# Altium PCB 11BRANMB10H3_20171026.pcbdoc (part 3 of 7)
Units mm, origin at the board's own origin, x right, y up, seen from the top; angles counter-clockwise.
Board outline 91.65 x 48.25 mm, 6 copper layers (TOP, GND1, Singal, POWER, GND2, BOTTOM), stack 0.8 mm thick; 370 components, 289 nets, 1421 pads, 963 vias.
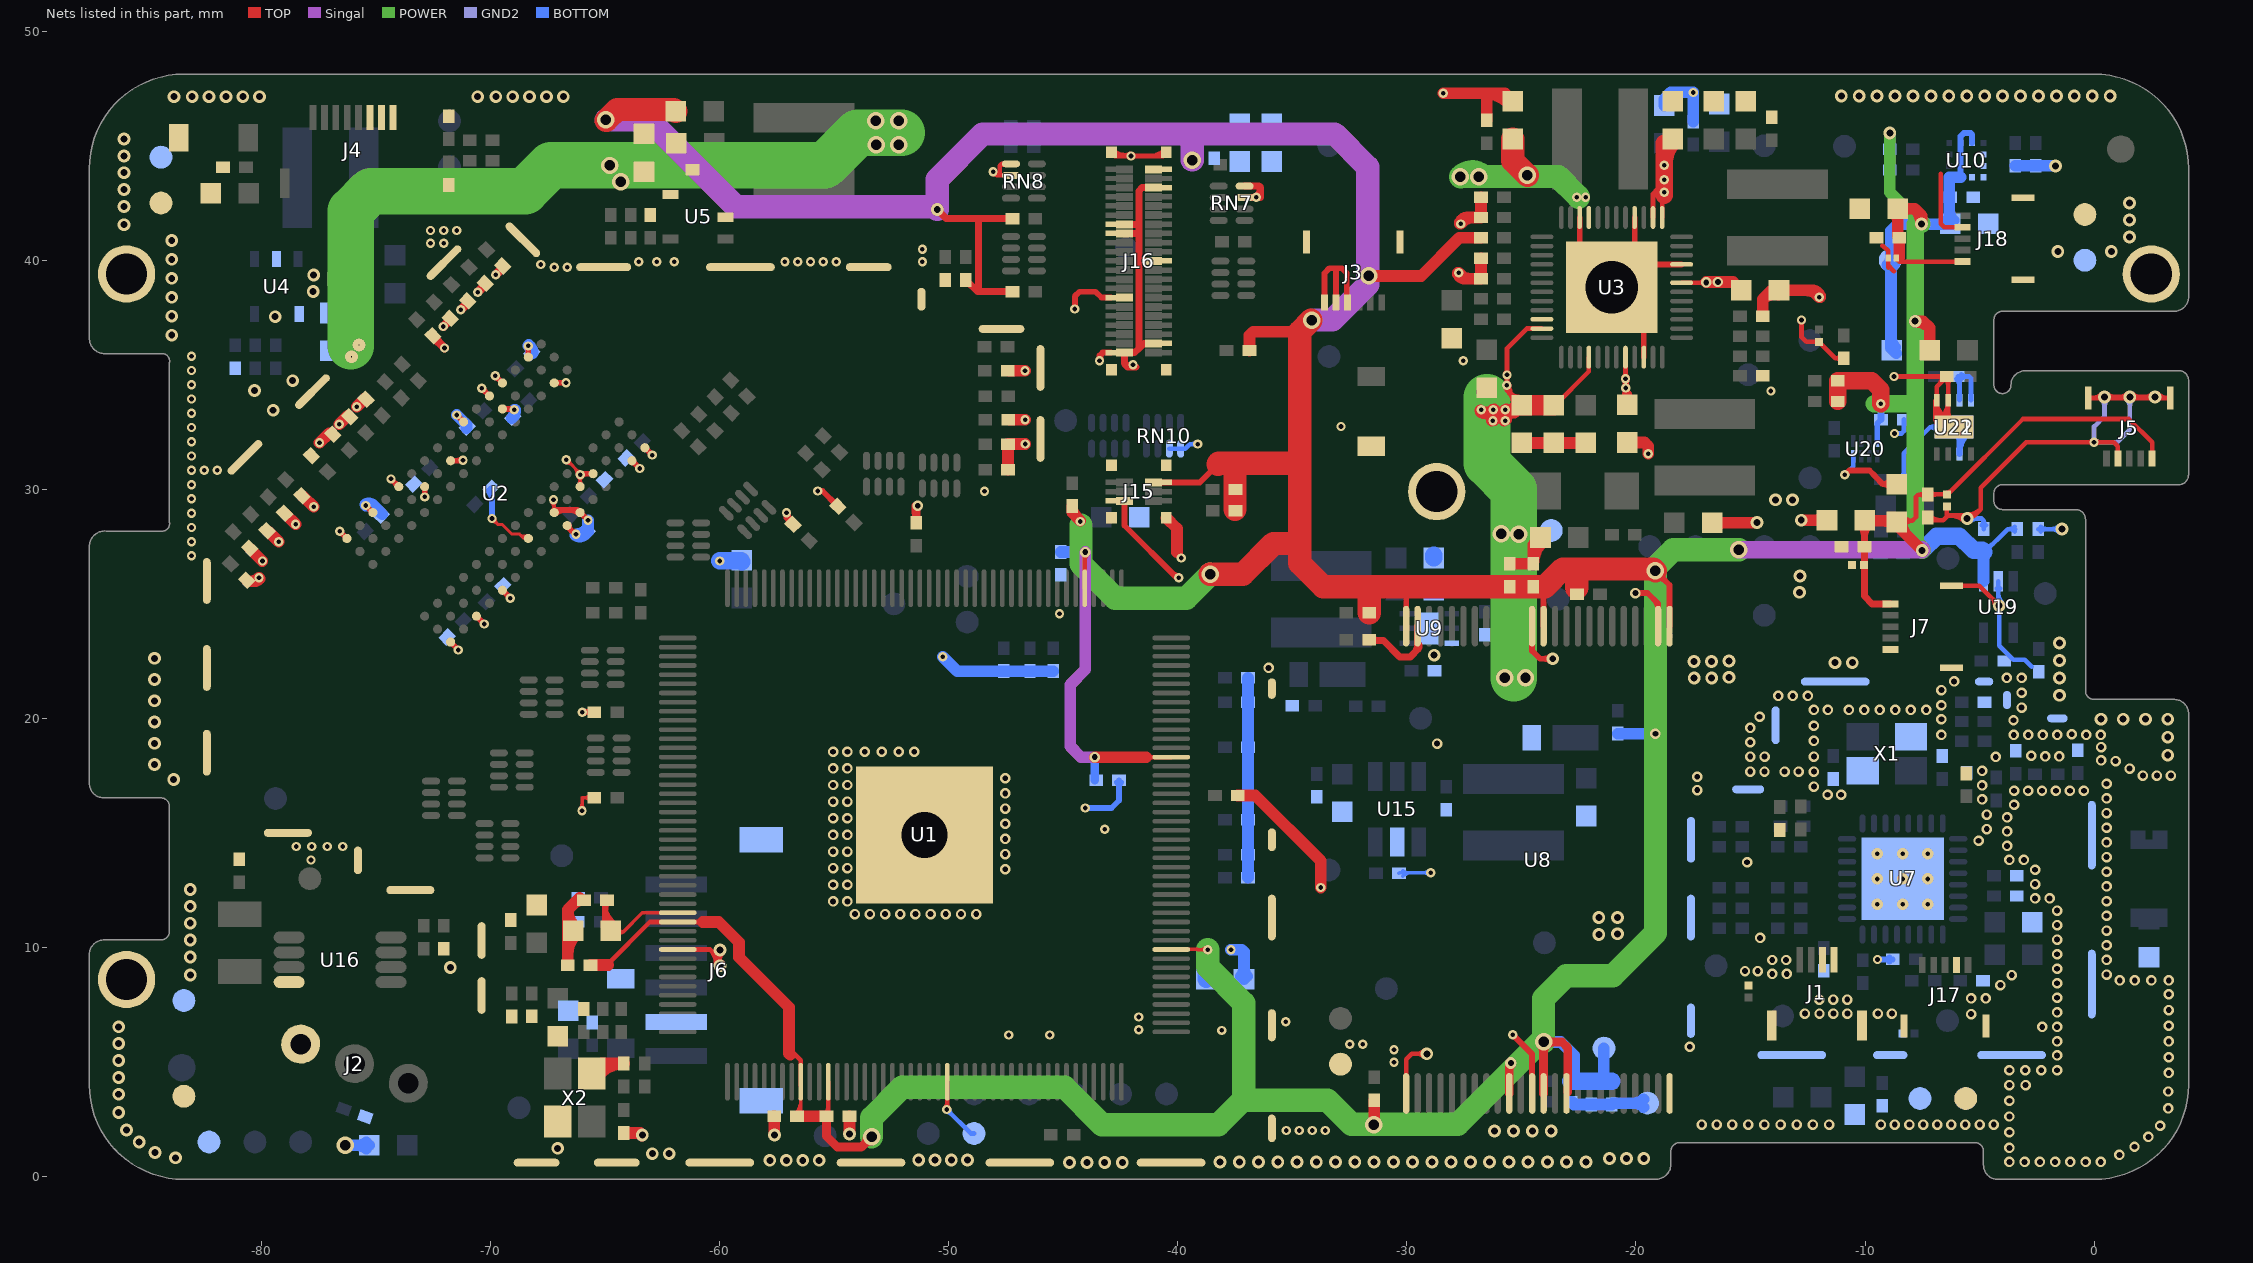
[diagram p7: the nets of this part, all layers, seen from the top]

## Via types
v1: diameter 0.406, hole 0.203, TOP to BOTTOM, tented both sides, 429 vias
v2: diameter 0.457, hole 0.254, TOP to BOTTOM, tented both sides, 256 vias
v3: diameter 0.559, hole 0.305, TOP to BOTTOM, tented both sides, 186 vias
v4: diameter 0.762, hole 0.457, TOP to BOTTOM, tented both sides, 69 vias
v5: diameter 0.61, hole 0.33, TOP to BOTTOM, tented both sides, 11 vias
v6: diameter 0.5, hole 0.2, TOP to BOTTOM, 9 vias
v7: diameter 0.559, hole 0.051, TOP to BOTTOM, tented both sides, 2 vias
v8: diameter 0.508, hole 0.254, TOP to BOTTOM, tented both sides, 1 vias

## Nets (pads, with @x,y where several pads share a name; then routed paths per layer and width w, separated by ;. In a path a pad name is that pad's centre, name@x,y a point inside that pad or via, vN(x,y) a via of type N, cw(c..) or ccw(c..) an arc to the next point about the centre after c; other vN are vias at no path point) (continued)
GND: C2.1 C3.1 C4.1 C5.1 C7.1 C8.1 C9.1 C10.1 C15.2 C16.1 C17.1 C18.1 C19.1 C20.1 C21.1 C22.1 C23.1 C24.1 C25.1 C26.1 C27.1 C28.1 C29.1 C30.1 C31.1 C32.1 C33.1 C34.1 C35.1 C36.1 C37.1 C38.1 C39.2 C40.1 C41.1 C44.2 C45.2 C46.2 C47.2 C48.2 C49.2 C50.2 C51.2 C52.2 C53.2 C54.2 C55.2 C56.2 C57.2 C59.1 C60.2 C61.2 C62.1 C63.1 C64.2 C65.2 C66.2 C67.2 C68.2 C69.1 C70.1 C71.1 C83.1 C84.2 C85.2 C86.2 C87.2 C88.2 C89.2 C90.2 C91.2 C92.2 C93.2 C94.2 C95.2 C96.2 C97.2 C98.2 C99.2 C100.2 C101.2 C102.2 C103.2 C104.2 C105.2 C106.2 C111.1 C116.1 C117.2 C120.1 C121.1 C122.1 C123.1 C142.1 C145.1 C146.1 C148.1 C152.1 C154.1 C155.1 C156.2 C157.2 C158.1 C159.2 C174.2 C175.2 C176.2 C204.1 C207.1 C208.1 C209.1 C215.2 C216.2 C220.2 C221.2 C225.2 C226.2 C227.2 C228.2 C235.2 C236.2 C237.2 C238.2 C240.1 C241.2 C242.2 C243.1 C244.1 C246.2 C247.2 C248.1 C249.1 C250.2 C251.1 C252.1 C253.1 C254.2 D2.2 D4.1 D5.2 D6.2 D7.2 D8.2 D13.2 D14.2 D15.2 D19.2 D20.2 J1.3 J1.4 J1.5 J1.6 J2.3 J3.4 J3.5 J3.6 J3.7 J3.8 J4.6 J4.7 J4.8 J5.4 J5.6 J5.7 J6.2 J6.7 J6.8 J7.1 J7.6 J7.7 J15.6 J15.7 J15.8 J15.9 J15.10 J16.5 J16.14 J16.16 J16.21 J16.30 J16.39 J16.42 J16.43 J16.44 J16.45 J16.46 J17.4 J17.6 J17.7 J18.4 J18.6 J18.7 pad.0 pad.1 R1.1 R2.1 R12.1 R17.1 R19.1 R28.2 R35.2 R50.1 R71.1 R90.1 R91.1 R94.1 R151.1 R155.1 R160.2 R178.1 R180.2 R188.1 R190.2 R210.2 RN7.3 RN7.4 RN8.1 RN8.2 RN10.1 RN10.2 TP4.1 TP15.1 TP16.1 TP17.1 TP18.1 TP19.1 TP20.1 TP21.1 TP22.1 TP24.1 TP56.1 U1.79 U1.177 U2.A9 U2.B1 U2.B3 U2.B9 U2.D1 U2.D8 U2.E1 U2.E2 U2.E8 U2.F9 U2.G1 U2.G8 U2.G9 U2.J2 U2.J8 U2.L2 U2.M1 U2.M9 U2.P1 U2.P9 U2.T1 U2.T9 U3.9 U3.16 U3.22 U3.46 U3.49 U4.2 U5.2 U7.33 U8.2 U8.13 U8.23 U8.25 U8.36 U8.48 U9.3 U9.7 U10.5 U10.6 U10.7 U10.8 U15.2 U16.4 U19.2 U20.4 U21.2 U21.7 U21.8 U21.9 U22.7 U22.8 U22.9 X1.2 X1.4 X2.2 X2.4 | length 297.1
  TOP w0.127: v1@-69.947,28.586 cw(c-69.947,28.248) -69.709,28.487 cw(c-69.471,28.725) v1@-69.808,28.725 ; v1(-69.947,28.725) -69.678,28.456 -69.49,28.456 -69.088,28.054 -68.758,28.054 ; -68.62,27.916 ccw(c-68.451,28.085) U2.J8@-68.364,27.863 ; U2.J8@-68.41,27.981 cw(c-68.528,28.284) -68.758,28.054 ; U2.J8@-68.361,27.854 -68.557,27.854 -68.758,28.054 ; v1@-67.331,29.417 cw(c-67.434,29.239) -67.235,29.292 ; U2.G8@-67.261,29.034 v1(-67.261,29.538) -67.23,29.507 U2.G8@-67.23,28.985 ; -67.261,29.239 cw(c-67.484,29.239) -67.326,29.082 ccw(c-67.559,29.315) -67.23,29.315 ccw(c-66.9,29.315) -67.133,29.082 cw(c-66.825,29.39) v1@-67.261,29.39 ; U2.G8@-67.23,29.126 ccw(c-67.674,29.126) -67.36,29.439 cw(c-67.598,29.201) -67.261,29.201 cw(c-66.924,29.201) -67.162,29.439 ccw(c-66.999,29.276) -67.23,29.276 ; -67.22,29.236 cw(c-67.02,29.289) v1@-67.164,29.438 ; v1@-66.711,31.151 cw(c-66.711,30.753) -66.429,31.034 ; v1(-66.711,31.291) -66.686,31.291 v1@-66.077,30.682 ; v1@-66.572,31.291 ccw(c-66.296,31.291) -66.491,31.096 ; -66.372,30.977 cw(c-66.707,30.642) v1@-66.233,30.642 ; -66.235,30.84 ccw(c-66.094,30.982) v1@-66.094,30.782 ; v1@-66.179,30.532 cw(c-66.281,30.401) -66.122,30.359 ; v1@-66.176,30.529 cw(c-66.268,30.405) -66.118,30.365 ; v1@-66.163,30.521 cw(c-66.238,30.392) -66.094,30.43 ; -66.107,30.412 cw(c-65.934,30.365) -66.024,30.521 ccw(c-65.937,30.37) -66.105,30.415 ; U2.E8@-66.098,30.294 cw(c-65.745,30.294) -65.995,30.543 ccw(c-65.756,30.305) -66.094,30.305 ccw(c-66.431,30.305) -66.192,30.543 cw(c-66.42,30.316) U2.E8@-66.098,30.316 ; -66.094,30.435 ccw(c-65.78,30.435) -66.002,30.213 cw(c-65.769,30.446) -66.098,30.446 cw(c-66.428,30.446) -66.195,30.213 ccw(c-66.439,30.457) v1@-66.094,30.457 ; -66.079,30.373 cw(c-65.948,30.409) v1@-66.02,30.523 ; U2.E8@-66.098,30.165 U2.E8@-66.098,30.117 U2.E8@-66.094,30.165 ; U2.E8@-66.098,30.165 v1@-66.098,30.637 ; U2.E8@-66.098,30.165 U2.E8@-66.094,30.165 ; v1@-66.098,30.637 v1(-66.094,30.642) ; v1@-66.098,30.637 v1(-66.094,30.642) v1@-66.077,30.682 ; U2.E8@-66.094,30.165 v1(-66.094,30.642) ; v1(-66.094,30.642) v1@-66.077,30.682 ; C35.1@-51.43,28.649 -51.42,28.64 -51.42,28.6 C35.1@-51.43,28.649
  TOP w0.14: U2.G8@-67.261,29.034 U2.G8@-67.23,28.985
  TOP w0.152: v1@-66.105,16.049 ccw(c-66.322,16.266) -66.015,16.266 ccw(c-65.708,16.266) v1@-65.925,16.049 ; v1(-66.015,15.959) -66.015,16.522 -66.001,16.535 C36.1@-65.537,16.535 ; v1(-66.006,20.265) -65.997,20.274 C33.1@-65.537,20.274 ; v1@-65.926,20.364 ccw(c-65.8,20.521) -65.748,20.327 ccw(c-65.69,20.11) v1@-65.892,20.209 ; v1@-65.916,20.175 cw(c-65.678,19.937) C33.1@-65.678,20.274 ; v1@-65.916,20.355 ccw(c-65.72,20.55) C33.1@-65.72,20.274 ; v1@-65.906,20.185 cw(c-65.809,20.107) -65.776,20.228 cw(c-65.729,20.404) v1@-65.892,20.322 ; C36.1@-65.65,16.413 ccw(c-65.947,16.116) -65.947,16.535 ccw(c-65.947,16.955) C36.1@-65.65,16.658 ; C33.1@-65.65,20.151 ccw(c-65.947,19.854) -65.947,20.274 ccw(c-65.947,20.693) C33.1@-65.65,20.396
  TOP w0.203: U1.79@-61.84,9.908 -60.419,9.908 ; v3@-60.17,9.212 ccw(c-61.029,9.298) -60.419,9.908 ; v3@-60.119,9.32 ccw(c-60.269,9.47) -60.057,9.47 ; -60.115,9.604 cw(c-60.477,9.243) v3@-59.968,9.192 ; v3@-60.057,9.241 -60.057,9.546 ; v3@-60.057,9.298 cw(c-59.411,9.298) v3@-59.868,9.755 ; -60.057,9.54 cw(c-59.874,9.54) v3@-59.935,9.713 ; v3@-59.93,9.361 cw(c-59.858,9.546) -60.057,9.546 ; v1(-48.069,43.866) -47.912,43.709 ; v1@-48.061,43.764 cw(c-48.047,43.575) -47.912,43.709 ; v1@-47.967,43.858 ccw(c-47.778,43.844) -47.912,43.709 ; v1@-47.967,43.875 ccw(c-47.785,43.893) -47.785,43.709 ; RN8.1@-47.549,44.163 ccw(c-47.635,43.97) -47.785,44.12 ; RN8.2@-47.287,43.709 -47.785,43.709 ; RN8.1@-47.287,44.209 -47.695,44.209 -47.785,44.12 ; J16.45@-42.944,44.656 ccw(c-42.693,44.907) J16.45@-42.693,44.551 ; J16.45@-42.895,44.72 -42.726,44.551 v1(-42.045,44.551) -40.674,44.551 J16.43@-40.505,44.72 ; J16.45@-42.801,44.799 ccw(c-42.202,45.398) v1@-42.202,44.551 ; -42.387,44.601 ccw(c-42.288,44.972) v1@-42.095,44.639 ; v1@-42.116,44.48 ccw(c-42.29,44.306) -42.29,44.551 ccw(c-42.29,44.797) v1@-42.116,44.623 ; v1@-41.973,44.48 cw(c-41.799,44.306) -41.799,44.551 cw(c-41.799,44.797) v1@-41.973,44.623 ; -41.198,44.551 ccw(c-41.198,45.398) J16.43@-40.599,44.799 ; J16.43@-40.707,44.551 ccw(c-40.707,44.907) J16.43@-40.456,44.656 ; U8.25@-30.033,3.624 -30.033,5.117 -29.795,5.355 v3(-29.134,5.355) ; v3@-29.26,5.229 ccw(c-29.563,4.926) -29.563,5.355 ccw(c-29.563,5.784) v3@-29.26,5.481 ; v1@-12.848,37.317 cw(c-13.021,37.144) -12.776,37.144 cw(c-12.531,37.144) v1@-12.704,37.317 ; v1(-12.776,37.389) -12.776,36.652 -12.562,36.438 D4.1@-12.014,36.438 -11.296,35.72 R28.2@-10.93,35.72 ; D4.1@-12.066,36.386 ccw(c-12.191,36.261) -12.191,36.438 ccw(c-12.191,36.615) D4.1@-12.066,36.49 ; D4.1@-12.014,36.365 cw(c-12.014,36.187) -11.889,36.313 cw(c-11.764,36.438) D4.1@-11.941,36.438 ; R28.2@-11.035,35.615 ccw(c-11.288,35.362) -11.288,35.72 ccw(c-11.288,36.078) R28.2@-11.035,35.825 ; -9.25,40.639 -9.221,40.639 -8.991,40.409 D20.2@-8.991,40.107 -8.991,39.776 -8.738,39.522 ; -8.992,39.675 D20.2@-8.992,40.106 ; v1(-8.738,34.925) C254.2@-6.427,34.925 C254.2@-6.44,34.912 ; v1@-8.666,34.853 cw(c-8.492,34.68) -8.492,34.925 cw(c-8.492,35.17) v1@-8.666,34.997 ; C154.1@-7.264,28.769 -7.147,28.651 -6.579,28.651 -6.426,28.804 -6.426,28.854 ; C154.1@-7.159,28.824 ccw(c-6.743,29.24) -6.743,28.651 ; U22.8@-6.871,33.89 -6.871,34.481 C254.2@-6.44,34.912 ; -6.766,34.586 ccw(c-7.105,34.925) C254.2@-6.626,34.925 ; U22.9@-6.748,33.002 ccw(c-7.607,33.89) U22.7@-6.371,33.89 ; -6.7,43.774 -6.7,41.6 -6.542,41.442 J18.4@-5.752,41.442 ; C254.2@-6.645,34.707 cw(c-6.477,34.539) C254.2@-6.477,34.777 ; U22.9@-6.607,32.856 ccw(c-7.144,33.411) -6.371,33.411 ; C254.2@-6.582,34.82 ccw(c-6.835,34.567) -6.835,34.925 ccw(c-6.835,35.283) C254.2@-6.582,35.03 ; C254.2@-6.482,34.82 cw(c-6.749,34.553) -6.371,34.553 ; D13.2@-6.478,29.198 cw(c-6.603,29.073) -6.426,29.073 cw(c-6.249,29.073) D13.2@-6.374,29.198 ; C254.2@-6.452,34.925 C254.2@-6.44,34.912 ; D13.2@-6.426,29.25 -6.426,28.854 ; -6.371,33.436 ccw(c-5.751,33.436) U22.9@-6.19,32.997 ; -6.371,34.581 cw(c-6.033,34.581) C254.2@-6.272,34.82 ; -6.273,28.854 cw(c-6.273,27.992) v3@-5.663,28.602 ; J7.7@-6.23,25.79 -5.013,25.79 v3(-4.14,24.917) ; U22.9@-6.121,32.715 -6.371,32.965 U22.7@-6.371,33.89 ; v3@-5.531,28.905 ccw(c-5.506,29.687) -4.953,29.134 ; v3@-5.412,28.854 ccw(c-5.323,28.945) -5.232,28.854 ; v3@-4.318,24.917 ccw(c-4.747,24.917) -4.444,25.221 ccw(c-4.14,25.524) v3@-4.14,25.095 ; J5.7@-0.252,33.989 0.457,33.989 1.562,33.989 2.667,33.989 J5.6@3.328,33.989 ; -0.085,33.989 ccw(c-0.085,34.578) v3@0.331,34.162 ; v1@-0.072,31.983 ccw(c-0.245,31.81) -0.245,32.055 ccw(c-0.245,32.3) v1@-0.072,32.127 ; v1@0.072,31.983 cw(c0.245,31.81) 0.245,32.055 cw(c0.245,32.3) v1@0.072,32.127 ; 0.14,33.989 cw(c0.14,33.719) v3@0.331,33.91 ; v3(0.457,34.036) v3(1.562,34.036) v3@2.62,34.036 ; 0.774,33.989 ccw(c0.774,33.719) 0.583,33.91 cw(c0.886,33.607) 0.886,34.036 cw(c0.886,34.465) 0.583,34.162 ccw(c0.999,34.578) 0.999,33.989 ; 1.02,33.989 ccw(c1.02,34.578) 1.436,34.162 cw(c1.133,34.465) 1.133,34.036 cw(c1.133,33.607) 1.436,33.91 ccw(c1.245,33.719) 1.245,33.989 ; J5.4@1.038,31.339 1.038,31.881 0.864,32.055 v1(0,32.055) -2.969,32.055 -4.953,30.071 -4.953,29.134 ; 1.879,33.989 ccw(c1.879,33.719) 1.688,33.91 cw(c1.991,33.607) 1.991,34.036 cw(c1.991,34.465) 1.688,34.162 ccw(c2.104,34.578) 2.104,33.989 ; 2.125,33.989 ccw(c2.125,34.578) 2.541,34.162 cw(c2.238,34.465) 2.238,34.036 cw(c2.238,33.607) 2.541,33.91 ccw(c2.35,33.719) 2.35,33.989 ; v3@2.793,33.91 cw(c2.984,33.719) 2.984,33.989 ; v3@2.793,34.162 ccw(c3.209,34.578) J5.6@3.209,33.989 ; -60.419,9.908 -60.192,9.681 -60.057,9.546 ; -47.912,43.709 -47.785,43.709 ; -47.785,43.709 -47.785,43.866 -47.785,44.12 ; C254.2@-6.44,34.912 -6.371,34.844 U22.7@-6.371,33.89 ; -6.426,28.854 -5.537,28.854 -5.232,28.854 ; -5.232,28.854 -4.953,29.134 ; v3@-60.119,9.755 cw(c-60.269,9.605) -60.057,9.605 ccw(c-60.269,9.605) v3@-60.119,9.755
  TOP w0.254: v1(-76.601,28.173) U2.T1@-76.28,27.854 ; v1(-75.459,29.295) U2.P1@-75.149,28.985 ; v1(-74.355,30.454) U2.M1@-74.018,30.116 ; v1(-72.887,29.668) U2.L2@-72.887,30.117 ; U2.T9@-71.755,23.328 v1(-71.414,22.987) ; U2.J2@-71.755,31.248 -71.235,31.248 v1(-71.212,31.27) ; v1(-71.491,33.246) U2.G1@-71.19,32.945 ; -71.451,31.248 ccw(c-71.451,31.509) v1@-71.266,31.324 ; U2.P9@-70.624,24.46 v1(-70.283,24.118) ; v1(-70.395,34.413) U2.E1@-70.058,34.076 ; v1(-69.803,34.952) U2.D1@-69.492,34.642 ; U2.M9@-69.493,25.591 v1(-69.151,25.249) ; U2.E2@-69.492,33.511 v1@-69.015,33.511 ; -69.253,33.511 cw(c-69.253,33.197) v1@-69.031,33.419 ; v1@-68.423,36.207 cw(c-68.573,36.057) -68.361,36.057 ; v1(-68.369,36.261) -68.361,36.253 U2.B1@-68.361,35.773 ; U2.G8@-67.23,28.985 -67.113,29.102 -66.215,29.102 U2.F9@-66.098,28.985 v1(-65.757,28.644) ; U2.B3@-67.23,34.642 v1(-66.717,34.649) ; U2.G8@-67.178,28.933 cw(c-66.771,28.526) -66.771,29.102 ; U2.G9@-66.664,28.419 -66.664,28.378 -66.326,28.04 v1(-66.279,28.04) ; U2.G9@-66.591,28.419 ccw(c-66.315,28.419) -66.51,28.224 ; -66.557,29.102 cw(c-66.557,28.527) U2.F9@-66.15,28.934 ; -66.488,28.202 ccw(c-66.279,28.411) v1@-66.279,28.116 ; v1@-66.077,30.682 U2.D8@-65.533,30.682 ; v1@-66.04,30.588 cw(c-65.813,30.361) -65.813,30.682 ; U2.B9@-63.836,31.248 v1(-63.494,30.906) ; U2.A9@-63.27,31.814 v1(-62.95,31.494) ; v1(-57.09,28.977) -57.09,28.756 -56.845,28.511 cw(c-56.432,28.924) v1@-57.014,28.971 ; C49.2@-56.961,28.504 ccw(c-57.258,28.504) -57.048,28.714 ccw(c-56.838,28.924) C49.2@-56.838,28.627 ; v1(-55.728,29.929) -55.52,29.929 C34.1@-54.89,29.299 ; C34.1@-55.006,29.292 ccw(c-55.303,29.292) -55.093,29.502 ccw(c-54.883,29.712) C34.1@-54.883,29.415 ; v1(-44.499,37.871) -44.499,38.424 -44.296,38.627 -43.597,38.627 -43.34,38.37 J16.30@-42.925,38.37 ; v1(-43.42,35.611) -43.42,35.839 -43.29,35.97 J16.42@-42.925,35.97 ; v1@-43.351,35.642 cw(c-43.081,35.761) -43.29,35.97 ; J15.6@-42.335,29.5 -42.335,28.424 -40.048,26.136 v1(-39.962,26.136) ; -40.239,26.327 ccw(c-39.962,26.604) v1@-39.962,26.213 ; J3.6@-33.6,38.15 -33.6,39.437 -33.387,39.649 -33.1,39.649 ; J3.5@-33.1,38.15 -33.1,39.649 ; J3.4@-32.6,38.15 -32.625,38.175 -32.625,39.446 -32.829,39.649 -33.1,39.649 ; v1(-25.375,6.18) -24.533,5.338 U8.36@-24.533,3.624 ; U8.13@-24.527,24.03 U8.13@-24.533,24.024 -24.533,22.942 -24.192,22.602 v3(-23.633,22.602) ; v3@-23.741,22.494 ccw(c-24.001,22.234) -24.001,22.602 ccw(c-24.001,22.97) v3@-23.741,22.709 ; U3.49@-22.457,40.219 U3.22@-22.457,41.869 ; U3.16@-20.057,41.869 -20.057,39.819 U3.9@-18.007,39.819 ; v2(-20.027,25.47) -19.495,25.47 -19.033,25.008 U8.2@-19.033,24.024 ; v2@-19.955,25.398 cw(c-19.781,25.224) -19.781,25.47 cw(c-19.781,25.715) v2@-19.955,25.541 ; U3.46@-19.657,35.769 U3.49@-19.657,37.419 ; -19.215,25.19 cw(c-19.629,24.776) U8.2@-19.044,24.776 ; v1(-10.879,30.632) -10.689,30.822 -9.804,30.822 -9.551,30.569 -9.551,30.557 -9.22,30.226 ; C155.1@-8.878,30.045 ccw(c-9.22,29.812) -9.22,30.226 ; C155.1@-8.878,30.407 cw(c-9.22,30.64) -9.22,30.226 ; C155.1@-8.611,30.226 -9.22,30.226 ; U22.9@-6.909,33.14 ccw(c-6.325,33.14) U22.9@-6.516,32.588 ; -6.909,33.496 ccw(c-6.201,33.496) U22.9@-6.433,32.828 ; U22.8@-6.871,33.89 U22.8@-6.909,33.853 ; U22.9@-6.35,33.068 cw(c-6.078,33.853) U22.8@-6.909,33.853 ; U22.9@-6.121,32.715 -6.452,32.715 -6.909,33.172 U22.8@-6.909,33.853
  TOP w0.305: J16.42@-42.335,35.941 -42.335,35.484 ; J16.42@-42.335,35.97 -41.886,35.97 -41.705,36.15 ; J16.16@-42.335,41.17 -41.709,41.17 ; J16.14@-42.335,41.57 -41.709,41.57 ; v1@-42.002,35.46 cw(c-42.201,35.584) -42.201,35.35 ; v1@-41.992,35.471 cw(c-42.157,35.663) -42.335,35.484 ; v1@-41.82,35.35 -41.959,35.35 -42.201,35.35 ; J16.39@-41.065,36.37 -41.486,36.37 -41.705,36.15 ; J16.21@-41.065,39.97 -41.564,39.97 -41.705,39.829 ; J16.5@-41.065,43.17 -41.564,43.17 -41.705,43.029 -41.705,39.829 ; RN7.3@-37.09,42.738 -37.085,42.742 -36.575,42.742 -36.384,42.742 -36.384,42.748 -36.384,43.173 ; RN7.4@-37.09,43.238 -36.448,43.238 -36.384,43.173 ; v1@-36.601,42.792 ccw(c-36.829,43.173) -36.384,43.173 ; C111.1@-31.643,23.444 C111.1@-31.647,23.44 -31.601,23.393 -31.025,23.393 -30.314,22.682 -29.855,22.682 -29.533,23.004 ; C111.1@-31.528,23.509 ccw(c-31.25,23.787) -31.25,23.393 ; -29.697,22.839 ccw(c-30.131,23.273) U8.23@-29.518,23.273 ; U8.23@-29.531,24.022 U8.23@-29.533,24.024 -29.533,23.004 ; U8.23@-29.522,23.282 cw(c-29.678,23.149) -29.533,23.004 ; -42.335,35.484 -42.201,35.35 ; -41.705,36.15 -41.705,39.829
  TOP w0.381: C102.2@-72.487,36.661 -72.487,36.635 v1(-72.02,36.168) ; v1(-72.071,37.107) -71.755,37.423 C103.2@-71.725,37.423 ; v1(-71.309,37.844) C104.2@-70.964,38.184 ; v1(-70.572,38.606) -70.231,38.947 C105.2@-70.201,38.947 ; v1(-69.785,39.368) C106.2@-69.44,39.708 ; -51.434,29.003 cw(c-51.079,29.008) v2@-51.334,29.256 ; C35.1@-51.42,28.6 -51.43,28.649 v2@-51.437,29.183 ; v2@-51.437,29.183 v2(-51.361,29.282) -51.437,29.282 v2@-51.437,29.183
  TOP w0.508: C90.2@-80.624,25.996 ccw(c-80.496,26.508) v1(-80.122,26.135) -80.264,25.993 C90.2@-80.615,25.993 ; C91.2@-80.488,27.39 v1(-79.97,26.871) ; C90.2@-80.343,25.993 ccw(c-80.343,26.355) v1@-80.087,26.099 ; C92.2@-79.726,28.152 -79.701,28.152 v1(-79.259,27.709) ; C93.2@-78.964,28.914 v1(-78.522,28.471) ; C94.2@-78.202,29.676 -78.177,29.676 v1(-77.735,29.233) ; v1(-77.481,32.027) -77.059,32.449 C95.2@-76.937,32.449 ; v1(-76.617,32.84) -76.247,33.211 R90.1@-76.2,33.211 ; v1(-75.855,33.602) C83.1@-75.49,33.973 ; C10.1@-66.642,9.228 -66.642,10.719 -66.642,11.645 ; -66.642,9.678 cw(c-65.366,9.678) C8.1@-66.268,10.58 ; -66.387,11.9 cw(c-65.979,11.492) C9.1@-65.979,12.069 ; C8.1@-66.281,10.869 cw(c-65.628,11.645) -66.642,11.645 ; C9.1@-66.125,12.162 -66.642,11.645 ; X2.2@-65.583,4.495 -65.151,4.927 C38.1@-64.186,4.927 ccw(c-64.186,3.495) X2.2@-65.311,4.381 ; C37.1@-64.172,1.881 C37.1@-64.186,1.895 -63.477,1.895 v3(-63.385,1.803) ; -63.668,1.895 cw(c-63.668,1.52) v3@-63.403,1.785 ; C17.1@-57.625,2.624 -57.619,2.618 v3(-57.619,1.803) ; v3(-54.339,1.858) C19.1@-54.339,2.624 ; R94.1@-47.415,30.859 C148.1@-47.415,31.977 ; C84.2@-47.369,35.18 v1(-46.674,35.18) ; C148.1@-47.355,31.977 v1(-46.671,31.977) ; R91.1@-47.346,33.042 v1(-46.672,33.042) ; J15.8@-40.505,28.75 -40.042,28.287 -40.042,27.244 ; C7.1@-37.383,16.63 -36.616,16.63 -33.768,13.782 v1(-33.768,12.616) ; v1(-28.409,47.288) -25.716,47.288 C67.2@-25.375,46.948 ; v1@-27.784,39.443 ccw(c-27.48,39.511) -27.48,39.2 ; v1@-27.77,39.418 ccw(c-27.243,39.945) -27.243,39.2 ; v1(-27.734,39.454) -27.48,39.2 ; v1@-27.697,41.598 cw(c-27.368,41.531) -27.368,41.867 ; v1@-27.683,41.624 cw(c-27.095,41.036) -27.095,41.867 ; v1(-27.647,41.588) -27.368,41.867 ; C60.2@-26.764,40.089 C59.1@-26.764,39.2 -27.48,39.2 ; C62.1@-26.764,42.756 C71.1@-26.764,41.867 -27.368,41.867 ; C53.2@-26.709,34.247 C53.2@-26.518,34.438 ; -26.671,47.288 cw(c-26.671,45.652) C67.2@-25.514,46.809 ; R19.1@-26.518,46.114 -26.518,47.226 ; C207.1@-25.502,26.746 C204.1@-24.486,26.746 -24.486,27.58 C45.2@-24.169,27.897 ; C40.1@-24.994,32.025 C68.2@-23.597,32.025 C63.1@-22.2,32.025 ; C40.1@-24.855,31.886 cw(c-24.521,31.551) -24.521,32.025 cw(c-24.521,32.498) C40.1@-24.855,32.163 ; C204.1@-24.486,26.703 cw(c-23.037,26.703) C45.2@-24.034,27.755 ; C68.2@-23.736,31.886 ccw(c-24.07,31.551) -24.07,32.025 ccw(c-24.07,32.498) C68.2@-23.736,32.163 ; C68.2@-23.458,31.886 cw(c-23.124,31.551) -23.124,32.025 cw(c-23.124,32.498) C68.2@-23.458,32.163 ; C63.1@-22.339,31.886 ccw(c-22.673,31.551) -22.673,32.025 ccw(c-22.673,32.498) C63.1@-22.339,32.163 ; C39.2@-20.383,32.042 -19.629,32.042 -19.468,31.881 v1(-19.468,31.547) ; C39.2@-20.244,31.904 cw(c-19.909,31.569) -19.909,32.042 cw(c-19.909,32.515) C39.2@-20.244,32.181 ; C44.2@-16.676,28.532 -14.718,28.532 v3@-14.707,28.532 ; C44.2@-16.537,28.393 cw(c-16.202,28.059) -16.202,28.532 cw(c-16.202,29.005) C44.2@-16.537,28.671 ; R151.1@-14.461,37.549 -14.461,38.303 ; C47.2@-13.795,38.5 ccw(c-13.946,37.788) -14.461,38.303 ; C47.2@-13.616,38.553 cw(c-13.281,38.219) -13.281,38.692 cw(c-13.281,39.165) C47.2@-13.616,38.831 ; v3(-12.784,28.651) C157.2@-11.658,28.651 ; -12.633,38.692 cw(c-12.633,37.747) v1@-11.965,38.415 ; v1(-12.001,38.379) -12.313,38.692 ; v1@-11.951,38.388 ccw(c-12.313,38.324) -12.313,38.692 ; C157.2@-11.796,28.513 ccw(c-12.131,28.178) -12.131,28.651 ccw(c-12.131,29.124) C157.2@-11.796,28.79 ; -14.461,38.303 -14.072,38.692 C47.2@-13.755,38.692 -12.313,38.692
  GND2 w0.203: v1@-0.072,32.127 ccw(c-0.245,32.3) 0,32.3 ccw(c0.245,32.3) 0.072,32.127 ccw(c0.245,32.3) 0.245,32.055 ccw(c0.245,31.81) v1@0.072,31.983 ; v3@0.331,33.91 cw(c0.028,33.607) 0.457,33.607 cw(c0.886,33.607) v3@0.583,33.91 ; v3(0.457,34.036) 0.457,33.198 0,32.741 v1(0,32.055) 1.016,32.055 1.562,32.601 v3(1.562,34.036) ; v3@1.436,33.91 cw(c1.133,33.607) 1.562,33.607 cw(c1.991,33.607) v3@1.688,33.91
  BOTTOM w0.152: R190.2@-30.347,13.229 -30.315,13.261 v1(-28.956,13.261) ; R190.2@-30.174,13.106 cw(c-29.799,12.731) -29.799,13.261 ; R190.2@-30.174,13.352 ccw(c-29.956,13.57) -29.956,13.261 ; v1@-29.046,13.172 ccw(c-29.263,12.955) -29.263,13.261 ccw(c-29.263,13.568) v1@-29.046,13.351
  BOTTOM w0.203: RN10.2@-40.376,31.774 RN10.1@-39.876,31.774 -39.683,31.774 -39.483,31.974 v1(-39.127,31.974) ; v1@-39.199,31.902 ccw(c-39.373,31.729) -39.373,31.974 ccw(c-39.373,32.219) v1@-39.199,32.046 ; v1(-10.879,30.632) -10.519,30.992 U20.4@-10.519,31.44 ; v1@-10.879,30.734 ccw(c-10.879,30.979) -10.705,30.806 ccw(c-10.532,30.632) v1@-10.777,30.632 ; v1(-8.712,32.436) -8.407,32.436 -8.3,32.543 C241.2@-8.3,33.045 ; C242.2@-8.405,30.534 ccw(c-8.658,30.787) -8.3,30.787 ccw(c-7.942,30.787) C242.2@-8.195,30.534 ; C242.2@-8.3,30.429 -8.3,31.578 -7.163,32.715 ; U21.9@-6.816,32.515 ccw(c-7.163,32.315) -7.163,32.715 ; U21.9@-6.816,32.915 cw(c-7.163,33.116) -7.163,32.715 ; U21.9@-6.121,32.715 -7.163,32.715 ; C238.2@-6.007,34.82 cw(c-6.335,34.492) -5.871,34.492 ; U21.7@-5.871,33.89 -5.871,34.844 C238.2@-5.952,34.925 -5.461,34.925 -5.371,34.835 U21.8@-5.371,33.89 ; -5.871,34.641 cw(c-5.618,34.641) -5.797,34.82 cw(c-5.544,34.567) -5.544,34.925 cw(c-5.544,35.283) C238.2@-5.797,35.03 ; v3(-5.537,28.727) -4.917,28.727 -4.814,28.625 ; v3@-5.411,28.602 cw(c-5.108,28.298) -5.108,28.727 cw(c-5.108,29.157) v3@-5.411,28.853 ; C235.2@-4.908,28.427 ccw(c-5.069,28.625) -4.814,28.625 ; C235.2@-4.814,28.262 -4.814,28.625 ; C235.2@-4.72,28.427 cw(c-4.559,28.625) -4.814,28.625 ; v3@-4.266,25.043 ccw(c-4.475,25.252) -4.179,25.252 ; U19.2@-4.249,25.672 cw(c-4.417,25.504) -4.179,25.504 cw(c-3.942,25.504) U19.2@-4.11,25.672 ; -4.179,25.441 ccw(c-3.617,25.441) v3@-4.014,25.043 ; U19.2@-4.179,25.992 -4.179,24.956 v3(-4.14,24.917) -4.14,23.165 -3.7,22.724 -3.531,22.555 -3.023,22.555 -2.718,22.25 ; R210.2@-2.438,28.262 v3(-1.405,28.262) ; R210.2@-2.333,28.157 cw(c-2.08,27.904) -2.08,28.262 cw(c-2.08,28.62) R210.2@-2.333,28.367 ; v3@-1.531,28.136 ccw(c-1.834,27.833) -1.834,28.262 ccw(c-1.834,28.691) v3@-1.531,28.388